# Altium PCB 通用工装板.PcbDoc (part 7 of 10)
Units mil, origin at the board's own origin, x right, y up, seen from the top; angles counter-clockwise.
Board outline 5905.51 x 3937.01 mil, 4 copper layers (L1, L2, L3, L4), stack 30.634 mil thick; 601 components, 576 nets, 2543 pads, 2986 vias.
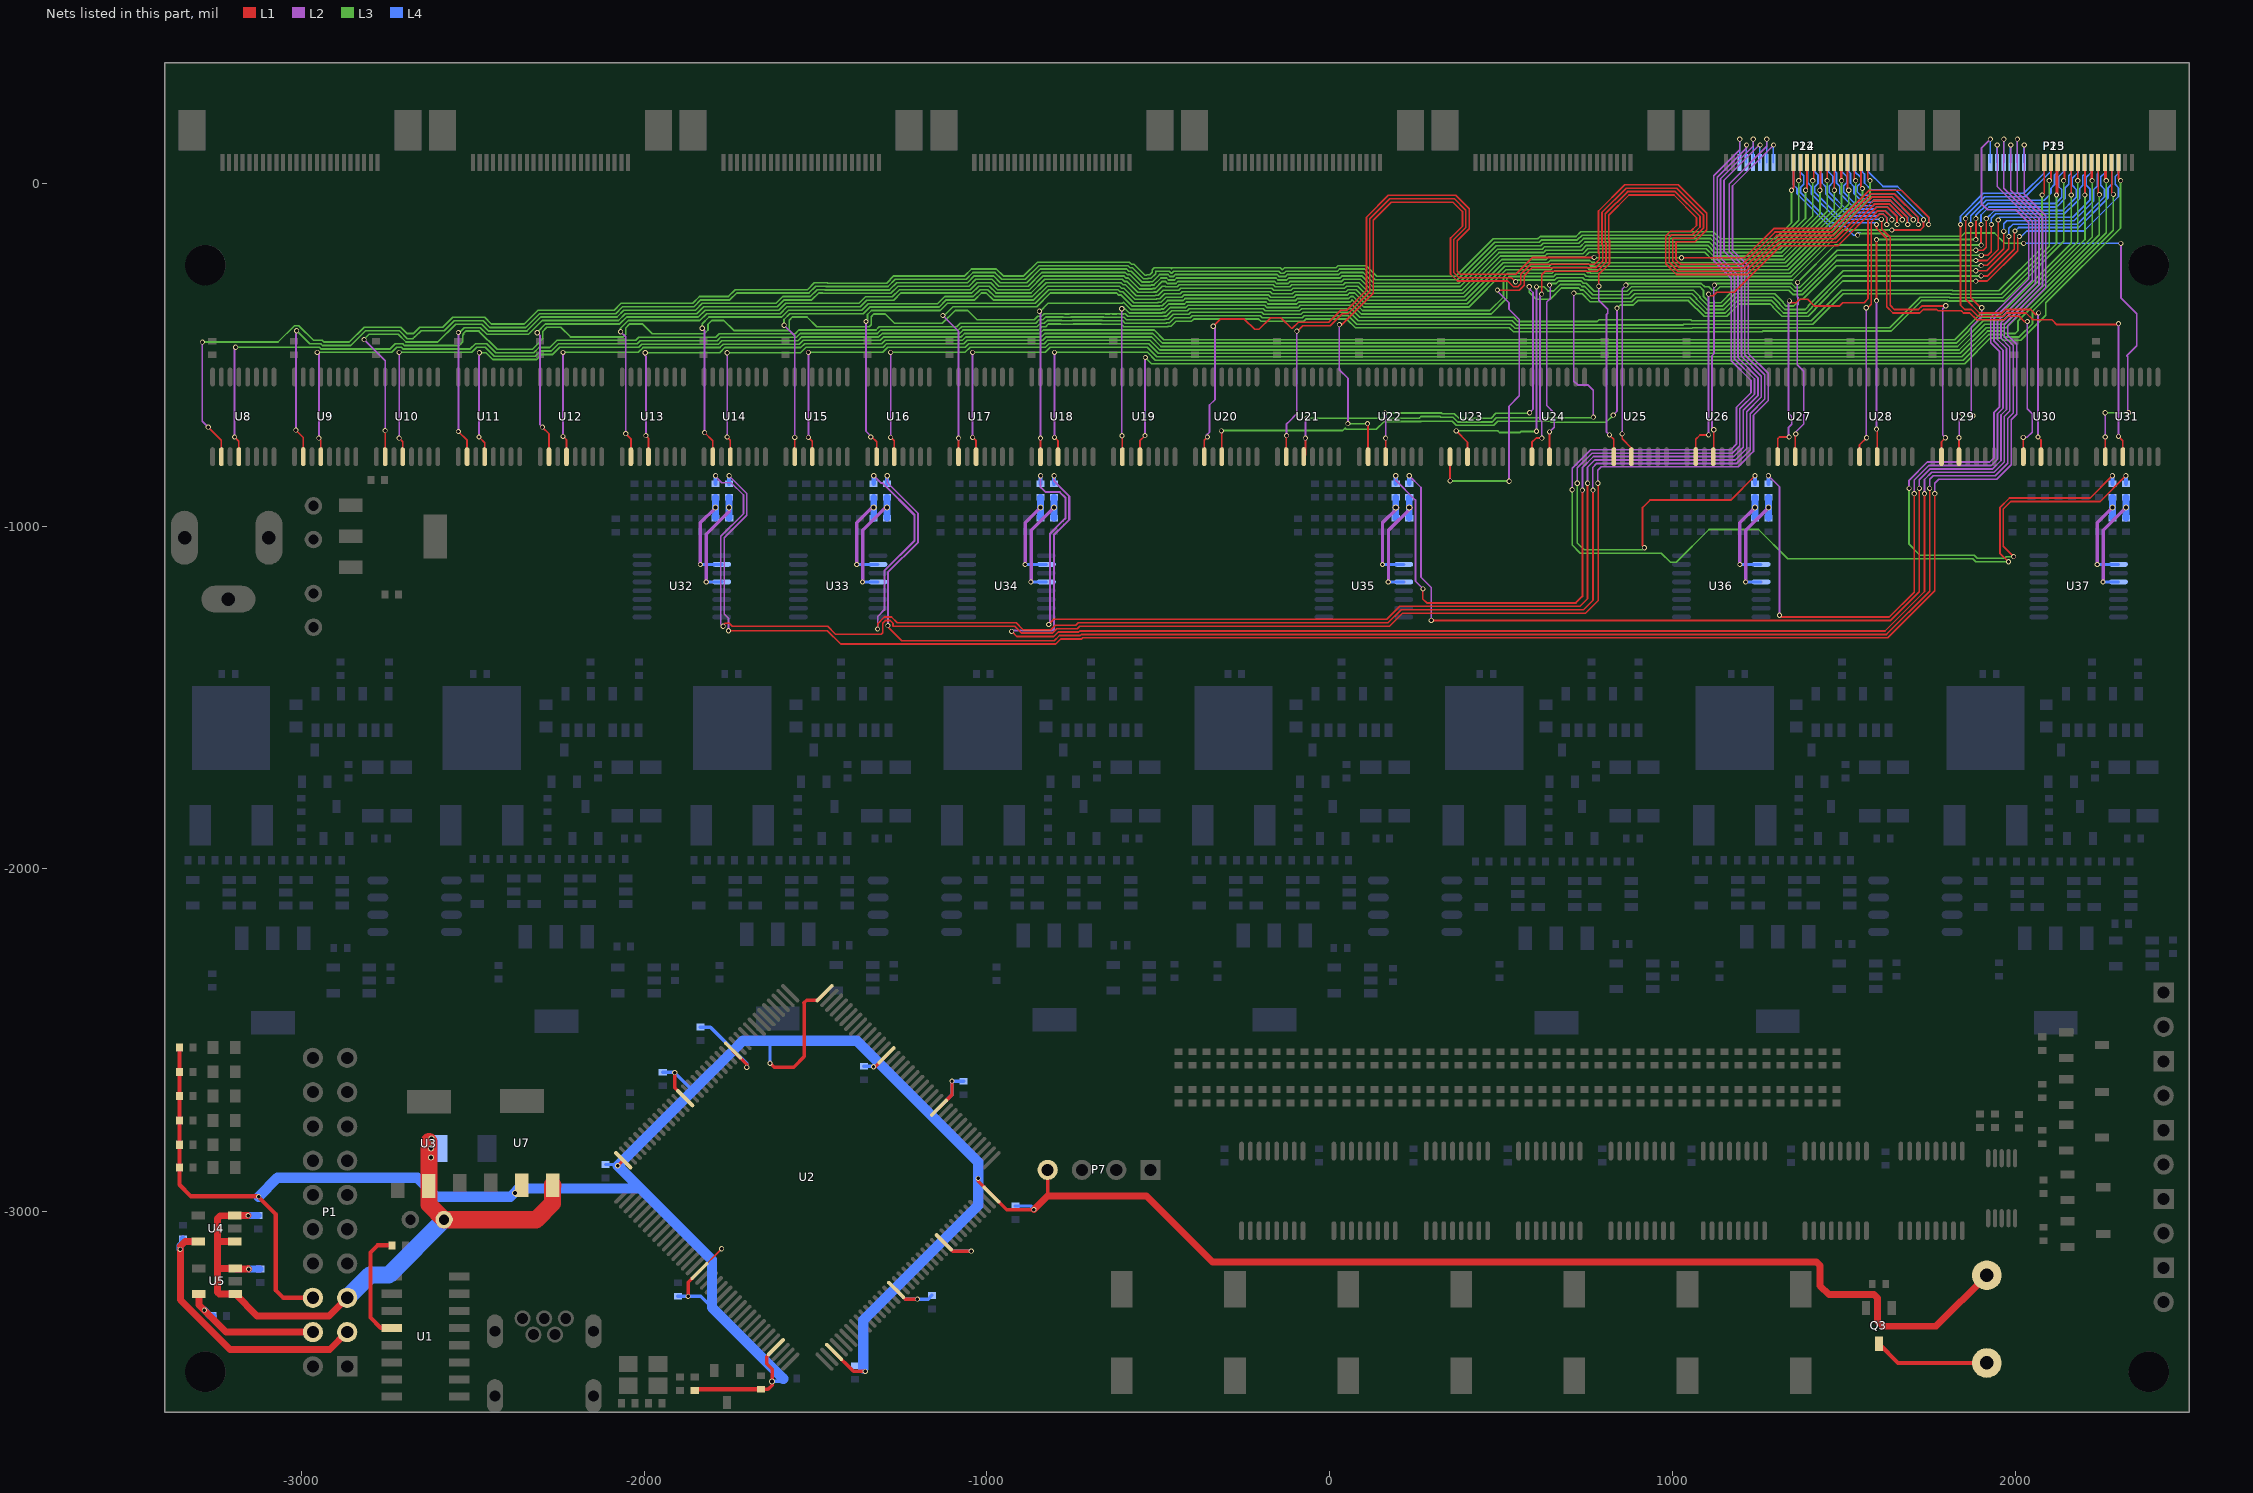
[diagram p9: the nets of this part, all layers, seen from the top]

## Via types
v1: diameter 15, hole 10, L1 to L4, tented both sides, 1853 vias
v2: diameter 18, hole 12, L1 to L4, tented both sides, 1133 vias

## Nets (pads, with @x,y where several pads share a name; then routed paths per layer and width w, separated by ;. In a path a pad name is that pad's centre, name@x,y a point inside that pad or via, vN(x,y) a via of type N, cw(c..) or ccw(c..) an arc to the next point about the centre after c; other vN are vias at no path point) (continued)
M6_ADC1: P22.17 R28.1 | length 5118.2
  L1 w5: v1(-1770,-1292) -1770,-1289 -1764,-1283 -1752,-1283 -1743,-1292 -1464.86,-1292 -1441.86,-1315 -1308,-1315 -1304,-1311 -1304,-1283.79 -1295.21,-1275 -1282.79,-1275 -1274,-1283.79 -1274,-1292 -919,-1292 -899,-1312 -809.64,-1312 -796.64,-1299 -736.43,-1299 -729.43,-1292 174.14,-1292 212.14,-1254 746,-1254 783,-1217 783,-876 v1(782,-875)
  L2 w5: v1(-1791.74,-853.04) -1791.74,-855.26 -1774,-873 -1746.61,-873 -1710.5,-909.11 -1710.5,-963.91 -1776.5,-1029.91 -1776.5,-1285.5 v1(-1770,-1292) ; v1(782,-875) 782,-837 792,-827 1191.19,-827 1236.24,-781.95 1236.24,-676.14 1279,-633.38 1279,-554.29 1221,-496.29 1221,-240.72 1175,-194.72 1175,-7.74 v1(1294.74,112)
  L4 w5: P22.17@1294.07,60.67 v1@1294.07,111.34
  L4 w12: R28.1@-1791.74,-876.34 v1(-1791.74,-853.04)
M6_ADC2: P22.18 R44.1 | length 4677.1
  L1 w5: v1(-1319,-1300) -1319,-1284.64 -1299.36,-1265 -1278.64,-1265 -1261.64,-1282 -914.86,-1282 -894.86,-1302 -813.79,-1302 -800.79,-1289 -740.57,-1289 -733.57,-1282 170,-1282 208,-1244 740,-1244 768,-1216 v1(768,-895)
  L2 w5: v1(-1319,-1300) -1319,-1263.5 -1299.5,-1244 ; v1(768,-895) 767,-894 767,-829 779,-817 1187.05,-817 1226.24,-777.81 1226.24,-672 1269,-629.24 1269,-558.43 1211,-500.43 1211,-244.86 1165,-198.86 1165,-2 1274.74,107.74 v1(1274.74,129)
  L2 w6: v1(-1330.46,-853.04) -1308.98,-874.52 -1304.33,-874.52 -1211.5,-967.35 -1211.5,-1042.65 -1299.5,-1130.65 -1299.5,-1244
  L4 w5: P22.18@1274.39,60.67 v1@1274.39,128.65
  L4 w12: R44.1@-1330.46,-876.34 v1(-1330.46,-853.04)
M6_ADC3: P22.19 R60.1 | length 4050
  L1 w5: v1(-820,-1287) -805,-1272 165.86,-1272 203.86,-1234 730,-1234 752,-1212 v1(752,-875)
  L2 w5: v1(752,-875) 752,-828.43 773.43,-807 1182.91,-807 1216.24,-773.67 1216.24,-666.19 1259,-623.43 1259,-562.57 1201,-504.57 1201,-249 1150,-198 1150,9.29 1252.71,112 v1(1255.37,112)
  L2 w6: v1(-843.46,-853.04) -843.46,-886.54 -829,-901 -787.44,-901 -771,-917.44 -771,-976.56 -778.94,-984.5 -779.09,-984.5 -816,-1021.41 -816,-1283 v1(-820,-1287)
  L4 w5: P22.19@1254.7,60.67 v1@1254.7,111.34
  L4 w12: R60.1@-843.46,-876.34 v1(-843.46,-853.04)
M6_ADC4: P22.20 R76.1 | length 2832.6
  L1 w5: v1(272,-1183) 271.5,-1183.5 271.5,-1212.5 283,-1224 718,-1224 737,-1205 v1(737,-895)
  L2 w5: v1(192.61,-853.04) 192.61,-866.61 250,-924 250,-1161 v1(272,-1183) ; v1(737,-895) 737,-829.28 769.28,-797 1178.76,-797 1206.24,-769.52 1206.24,-662.04 1249,-619.28 1249,-566.72 1191,-508.72 1191,-268.43 1140,-217.43 1140,13.43 1235.37,108.8 v1(1235.37,129)
  L4 w5: P22.20@1235.02,60.67 v1@1235.02,128.65
  L4 w12: R76.1@192.55,-876.34 v1(192.61,-853.04)
M6_ADC5: P22.21 R92.1 | length 2462.6
  L1 w5: v1(918,-1063) 912.28,-1057.28 912.28,-945.85 934.13,-924 1169.48,-924 v1(1240.44,-853.04)
  L2 w5: v1(722,-875) 722,-830.14 765.14,-787 1174.62,-787 1196.24,-765.38 1196.24,-657.9 1239,-615.14 1239,-570.86 1181,-512.86 1181,-272.57 1130,-221.57 1130,17.57 1216,103.57 v1(1216,112)
  L3 w5: v1(722,-875) 722,-1049 742,-1069 912,-1069 v1(918,-1063)
  L4 w5: P22.21@1215.33,60.67 v1@1215.33,111.34
  L4 w12: R92.1@1240.44,-876.34 v1(1240.44,-853.04)
M6_ADC6: P22.22 R108.1 | length 3715.6
  L1 w5: v1(1980,-1104) 1955,-1079 1955,-945.85 1982.82,-918.04 2218.16,-918.04 v1(2283.16,-853.04)
  L2 w5: v1(707,-894) 707,-831 761,-777 1170.48,-777 1186.24,-761.24 1186.24,-653.76 1229,-611 1229,-575 1171,-517 1171,-276.72 1120,-225.72 1120,21.72 1196,97.71 v1(1196,129)
  L3 w5: v1(707,-894) 707,-1055 731,-1079 967.21,-1079 993.79,-1105.57 1010.57,-1105.57 1106.15,-1010 1250.85,-1010 1335.85,-1095 1875.85,-1095 1884.85,-1104 v1(1980,-1104)
  L4 w5: P22.22@1195.65,60.67 v1@1195.65,128.65
  L4 w12: R108.1@2283.16,-876.34 v1(2283.16,-853.04)
M6_FADC1: R28.2 R29.1 U32.2 | length 307.5
  L2 w10: v1(-1836,-1112) -1836,-990.22 v2(-1791.78,-946)
  L4 w10: v1(-1836,-1112) -1774.41,-1112 U32.2@-1773.98,-1111.58
  L4 w20: R29.1@-1791.74,-976.69 R28.2@-1791.74,-915.71
M6_FADC2: R44.2 R45.1 U33.2 | length 306.9
  L2 w10: v1(-1380.09,-1112) -1380.09,-990.22 v2@-1335.87,-946
  L4 w10: v1(-1380.09,-1112) U33.2@-1318.5,-1112
  L4 w20: R45.1@-1330.52,-976.73 R44.2@-1330.52,-915.71
  other v2: -1330.56,-946
M6_FADC3: R60.2 R61.1 U34.2 | length 306.9
  L2 w10: v1(-888.76,-1112) -888.76,-990.22 v2@-844.54,-946
  L4 w10: v1(-888.76,-1112) U34.2@-827.17,-1112
  L4 w20: R61.1@-843.57,-976.69 R60.2@-843.57,-915.71
  other v2: -843.61,-946
M6_FADC4: R76.2 R77.1 U35.2 | length 306.9
  L2 w10: v1(153.76,-1112) 153.76,-990.22 v2@197.98,-946
  L4 w10: v1(153.76,-1112) U35.2@215.35,-1112
  L4 w20: R77.1@192.55,-976.73 R76.2@192.55,-915.71
  other v2: 192.51,-946
M6_FADC5: R92.2 R93.1 U36.2 | length 306.9
  L2 w10: v1(1196.28,-1112) 1196.28,-990.22 v2@1240.5,-946
  L4 w10: v1(1196.28,-1112) U36.2@1257.87,-1112
  L4 w20: R93.1@1240.38,-976.69 R92.2@1240.38,-915.71
  other v2: 1240.34,-946
M6_FADC6: R108.2 R109.1 U37.2 | length 306.9
  L2 w10: v1(2238.8,-1112) 2238.8,-990.22 v2@2283.02,-946
  L4 w10: v1(2238.8,-1112) U37.2@2300.39,-1112
  L4 w20: R109.1@2283.1,-976.73 R108.2@2283.1,-915.71
  other v2: 2283.06,-946
M6_GPIO0: P14.11 U8.2 | length 5489.5
  L1 w5: v1(-3272,-711) -3233.63,-749.37 U8.2@-3233.63,-797.27 ; v1(1347,-20) 1353,-14 1353,60.54 P14.11@1353.12,60.67
  L2 w5: v1(-3289,-463) -3289,-694 v1(-3272,-711)
  L3 w5: v1(-3289,-463) -3068.21,-463 -3020.21,-415 -3007.79,-415 -2964.79,-458 -2939.5,-458 -2934.5,-463 -2860.14,-463 -2817.14,-420 -2709.72,-420 -2691.43,-438.28 -2673.28,-438.28 -2655,-420 -2587.28,-420 -2558.28,-391 -2465.64,-391 -2446.21,-410.43 -2350.07,-410.43 -2309.64,-370 -2087.57,-370 -2067.57,-350 -1858.71,-350 -1838.71,-330 -1754.36,-330 -1734.36,-310 -1523.64,-310 -1503.64,-290 -1466.36,-290 -1465.36,-291 -1292.92,-291 -1271.92,-270 -1064.99,-270 -1044.99,-250 -972.79,-250 -952.79,-270 -892.49,-270 -852.49,-230 -584.51,-230 -578.51,-236 -571.21,-236 -539.21,-268 -534.63,-268 -533.34,-266.72 -525.5,-266.72 -518,-259.21 -518,-252.14 -511.86,-246 -463.83,-246 -461.59,-248.24 -459.34,-246 -144.66,-246 -138.66,-252 -137.96,-252 -131.96,-246 18.2,-246 24.2,-240 106.08,-240 137.08,-271 367.92,-271 476.92,-162 607.01,-162 614.01,-155 718.15,-155 732.15,-141 1119,-141 1140,-162 1300,-162 1347,-115 v1(1347,-20)
M6_GPIO1: P14.12 U9.2 | length 5237
  L1 w5: v1(-3016,-720) -2994.67,-741.33 U9.2@-2994.67,-797.27 ; v1(1368,8) 1372.81,12.81 P14.12@1372.81,60.67
  L2 w5: v1(-3016,-720) v1@-3016,-432
  L3 w5: v1(-3014,-430) -2976,-468 -2943.64,-468 -2938.64,-473 -2856,-473 -2813,-430 -2713.86,-430 -2690.86,-453 -2675,-453 -2670.28,-448.28 -2669.14,-448.28 -2650.86,-430 -2583.14,-430 -2554.14,-401 -2469.79,-401 -2450.36,-420.43 -2345.93,-420.43 -2305.5,-380 -2083.43,-380 -2063.43,-360 -1854.57,-360 -1834.57,-340 -1750.21,-340 -1730.21,-320 -1519.5,-320 -1499.5,-300 -1470.5,-300 -1469.5,-301 -1288.78,-301 -1267.78,-280 -1060.85,-280 -1040.85,-260 -976.93,-260 -956.93,-280 -888.35,-280 -848.35,-240 -588.65,-240 -582.65,-246 -575.36,-246 -543.36,-278 -530.49,-278 -529.2,-276.72 -521.36,-276.72 -508,-263.36 -508,-256.28 -507.72,-256 -467.97,-256 -461.97,-262 -461.2,-262 -455.2,-256 -148.8,-256 -142.8,-262 -133.82,-262 -127.82,-256 22.34,-256 28.34,-250 101.94,-250 132.94,-281 372.06,-281 481.06,-172 611.15,-172 618.15,-165 722.29,-165 736.29,-151 1114.86,-151 1135.86,-172 1304.14,-172 1368,-108.14 v1(1368,8)
M6_GPIO2: P14.13 U10.2 | length 5021.2
  L1 w5: U10.2@-2755.71,-797.27 v1(-2755.71,-721.29) ; v1(1388,-20) 1392.49,-15.51 P14.13@1392.49,60.67
  L2 w5: v1(-2817,-456) -2755.71,-517.29 v1(-2755.71,-721.29)
  L3 w5: v1(-2817,-456) -2817,-454 -2803,-440 -2718,-440 -2695,-463 -2602,-463 -2550,-411 -2473.93,-411 -2454.5,-430.43 -2341.79,-430.43 -2301.36,-390 -2079.28,-390 -2059.28,-370 -1850.43,-370 -1830.43,-350 -1615.71,-350 -1595.71,-330 -1515.36,-330 -1495.36,-310 -1474.64,-310 -1473.64,-311 -1284.64,-311 -1263.64,-290 -1056.71,-290 -1036.71,-270 -981.08,-270 -961.08,-290 -884.21,-290 -844.21,-250 -592.79,-250 -586.79,-256 -579.5,-256 -547.5,-288 -526.34,-288 -525.06,-286.72 -517.22,-286.72 -496.5,-266 -472.12,-266 -466.12,-272 -457.06,-272 -451.06,-266 -152.94,-266 -146.94,-272 -129.68,-272 -123.68,-266 26.48,-266 32.48,-260 97.8,-260 128.8,-291 376.2,-291 485.2,-182 615.29,-182 622.29,-175 726.43,-175 740.43,-161 1110.72,-161 1131.72,-182 1308.28,-182 1388,-102.28 v1(1388,-20)
M6_GPIO3: P14.14 U11.2 | length 4739.8
  L1 w5: v1(-2542,-724) -2516.75,-749.25 U11.2@-2516.75,-797.27 ; v1(1409,8) 1412.18,11.18 P14.14@1412.18,60.67
  L2 w5: v1(-2542,-724) v1(-2542,-435)
  L3 w5: v1(-2542,-435) -2540.86,-433.86 -2538,-433.86 -2525.14,-421 -2478.07,-421 -2458.64,-440.43 -2337.65,-440.43 -2297.21,-400 -2075.14,-400 -2055.14,-380 -1846.28,-380 -1826.28,-360 -1611.57,-360 -1591.57,-340 -1511.21,-340 -1491.21,-320 -1478.79,-320 -1477.79,-321 -1280.5,-321 -1259.5,-300 -1052.57,-300 -1032.57,-280 -985.22,-280 -965.22,-300 -880.07,-300 -840.07,-260 -596.93,-260 -590.93,-266 -583.64,-266 -551.64,-298 -522.2,-298 -520.92,-296.72 -513.08,-296.72 -492.36,-276 -476.26,-276 -470.26,-282 -452.92,-282 -446.92,-276 -157.08,-276 -151.08,-282 -125.53,-282 -119.53,-276 30.62,-276 36.62,-270 93.66,-270 124.66,-301 380.34,-301 489.34,-192 619.44,-192 626.44,-185 730.57,-185 744.57,-171 1106.57,-171 1127.57,-192 1312.43,-192 1409,-95.43 v1(1409,8)
M6_GPIO4: P14.15 U12.2 | length 4513.7
  L1 w5: v1(-2297,-711) -2277.79,-730.21 U12.2@-2277.79,-797.27 ; v1(1430,-20) 1431.86,-18.14 P14.15@1431.86,60.67
  L2 w5: v1(-2312,-436) -2304,-444 -2304,-704 v1(-2297,-711)
  L3 w5: v1(-2312,-436) -2312,-433.86 -2288.14,-410 -2071,-410 -2051,-390 -1842.14,-390 -1822.14,-370 -1607.43,-370 -1587.43,-350 -1373.43,-350 -1354.43,-331 -1276.36,-331 -1255.36,-310 -1048.43,-310 -1028.43,-290 -989.36,-290 -969.36,-310 -875.92,-310 -835.92,-270 -601.08,-270 -595.08,-276 -587.78,-276 -555.78,-308 -518.06,-308 -516.78,-306.72 -508.93,-306.72 -488.22,-286 -480.4,-286 -474.4,-292 -448.78,-292 -442.78,-286 -161.22,-286 -155.22,-292 -121.39,-292 -115.39,-286 34.77,-286 40.77,-280 89.51,-280 120.51,-311 384.49,-311 493.49,-202 623.58,-202 630.58,-195 734.72,-195 748.72,-181 1102.43,-181 1123.43,-202 1316.57,-202 1430,-88.57 v1(1430,-20)
M6_GPIO5: P14.16 U13.2 | length 4288.3
  L1 w5: v1(-2054,-730) -2038.83,-745.17 U13.2@-2038.83,-797.27 ; v1(1451,8) 1451,60.12 P14.16@1451.55,60.67
  L2 w5: v1(-2069,-433) -2054,-448 v1(-2054,-730)
  L3 w5: v1(-2069,-433) -2069.07,-432.93 -2069.07,-422.93 -2046.14,-400 -1838,-400 -1818,-380 -1603.28,-380 -1583.28,-360 -1369.28,-360 -1350.28,-341 -1272.21,-341 -1251.21,-320 -1044.28,-320 -1024.28,-300 -993.5,-300 -973.5,-320 -871.78,-320 -831.78,-280 -605.22,-280 -599.22,-286 -591.92,-286 -559.92,-318 -513.92,-318 -512.63,-316.72 -504.79,-316.72 -488.45,-300.37 -480.17,-300.37 -478.54,-302 -444.63,-302 -438.63,-296 -317,-296 -165.37,-296 -159.37,-302 -117.25,-302 -111.25,-296 38.91,-296 44.91,-290 85.37,-290 116.37,-321 388.63,-321 497.63,-212 627.72,-212 634.72,-205 738.86,-205 752.86,-191 1098.29,-191 1119.29,-212 1320.71,-212 1451,-81.71 v1(1451,8)
M6_GPIO6: P14.17 U14.2 | length 4073.9
  L1 w5: v1(-1824,-727) -1799.87,-751.13 U14.2@-1799.87,-797.27 ; P14.17@1471.23,60.67 1471,60.43 1472,59.43 v1(1472,-20)
  L2 w5: v1(-1830.5,-422.5) -1824,-429 v1(-1824,-727)
  L3 w5: v1(-1830.5,-422.5) -1830.5,-409.5 -1811,-390 -1599.14,-390 -1579.14,-370 -1365.14,-370 -1346.14,-351 -1144.28,-351 -1123.28,-330 -1040.14,-330 -1020.14,-310 -997.64,-310 -977.64,-330 -867.64,-330 -827.64,-290 -609.36,-290 -603.36,-296 -596.07,-296 -564.07,-328 -509.78,-328 -508.49,-326.72 -500.65,-326.72 -485.93,-312 -440.49,-312 -434.49,-306 -169.51,-306 -163.51,-312 -113.11,-312 -107.11,-306 43.05,-306 49.05,-300 81.23,-300 112.23,-331 392.77,-331 501.77,-222 631.86,-222 638.86,-215 743,-215 757,-201 1094.15,-201 1115.15,-222 1324.85,-222 1471.23,-75.62 1471,-75.38 1472,-74.38 v1(1472,-20)
M6_GPIO7: P14.18 U15.2 | length 3904
  L1 w5: U15.2@-1560.92,-797.27 v1(-1560.92,-741.08) ; v1@1490.92,10.08 P14.18@1490.92,60.67 1493,58.59 v1(1493,8) v1@1490.92,10.08
  L2 w5: v1(-1592,-414) -1560.92,-445.08 v1(-1560.92,-741.08)
  L3 w5: v1(-1592,-414) -1592,-397 -1575,-380 -1361,-380 -1342,-361 -1140.14,-361 -1119.14,-340 -1036,-340 -1016,-320 -1001.79,-320 -981.79,-340 -863.5,-340 -823.5,-300 -613.5,-300 -607.5,-306 -600.21,-306 -568.21,-338 -505.63,-338 -504.35,-336.72 -496.51,-336.72 -481.79,-322 -436.35,-322 -430.35,-316 -373,-316 -173.65,-316 -167.65,-322 -108.97,-322 -102.97,-316 47.19,-316 53.19,-310 77.09,-310 108.09,-341 396.91,-341 505.91,-232 636.01,-232 643.01,-225 758.79,-225 764.79,-231 772.57,-231 773.57,-232 1328.99,-232 1493,-67.99 v1(1493,8)
  L4 w5: v1@-1592,-416 v1(-1592,-414)
M6_GPIO8: P14.19 U16.2 | length 3618
  L1 w5: v1(-1339,-740) -1336,-740 -1321.96,-754.04 U16.2@-1321.96,-797.27 ; P14.19@1510.6,60.67 1510.6,-16.61 v1(1514,-20)
  L2 w5: v1(-1353,-403) -1353,-723 -1339,-737 v1(-1339,-740)
  L3 w5: v1(-1353,-403) -1348.5,-398.5 -1348.5,-382.5 -1337,-371 -1136,-371 -1115,-350 -859.36,-350 -819.36,-310 -617.64,-310 -611.64,-316 -604.35,-316 -572.35,-348 -501.49,-348 -500.21,-346.72 -492.37,-346.72 -477.65,-332 -432.21,-332 -426.21,-326 -177.79,-326 -171.79,-332 -104.82,-332 -98.82,-326 51.33,-326 57.33,-320 72.94,-320 103.94,-351 401.06,-351 510.06,-242 640.15,-242 647.15,-235 754.64,-235 760.64,-241 768.43,-241 769.43,-242 1333.14,-242 1514,-61.14 v1(1514,-20)
M6_GPIO9: P14.20 U17.2 | length 3415.5
  L1 w5: U17.2@-1083,-797.27 v1(-1083,-743) ; P14.20@1530.29,60.67 1530.29,11.71 v1(1534,8)
  L2 w5: v1(-1128.63,-385.42) -1083,-431.05 v1(-1083,-743)
  L3 w5: v1(-1128.63,-385.42) -1124.42,-385.42 -1099,-360 -855.21,-360 -815.21,-320 -621.79,-320 -615.79,-326 -608.49,-326 -576.49,-358 -497.35,-358 -496.07,-356.72 -488.22,-356.72 -473.51,-342 -428.07,-342 -422.07,-336 -181.93,-336 -175.93,-342 -100.68,-342 -94.68,-336 55.48,-336 61.48,-330 68.8,-330 99.8,-361 405.2,-361 514.2,-252 644.29,-252 651.29,-245 750.5,-245 756.5,-251 764.28,-251 765.28,-252 1337.28,-252 1534,-55.28 v1(1534,8)
M6_GPIO10: P14.21 U18.2 | length 3158.6
  L1 w5: U18.2@-844.04,-797.27 v1(-844,-743) ; v1@1550,-15 v1(1554,-15) ; v1@1549.97,-14.98 P14.21@1549.97,60.67 ; v1(-844,-743) v1(-844,-743)
  L2 w5: v1(-844,-743) v1@-844,-376
  L3 w5: v1(-847,-373) -845,-373 -822,-350 -604.93,-350 -601.78,-346.85 -580.63,-368 -493.21,-368 -491.92,-366.72 -484.08,-366.72 -469.37,-352 -423.92,-352 -417.92,-346 -186.08,-346 -180.08,-352 -96.54,-352 -90.54,-346 59.62,-346 65.14,-340.48 95.66,-371 467,-371 506.67,-331.33 506.67,-273.67 518.34,-262 648.43,-262 655.43,-255 746.36,-255 752.36,-261 760.14,-261 761.14,-262 1341.42,-262 1555,-48.42 1554,-47.42 v1(1554,-15)
M6_GPIO11: P14.22 U19.2 | length 2934.9
  L1 w5: U19.2@-605.08,-797.27 v1@-605.08,-737.13 ; P14.22@1569.66,60.67 1569.66,14.34 v1(1576,8)
  L2 w5: v1(-606.89,-365.89) -606.89,-736.11 v1(-606.11,-736.11)
  L3 w5: v1(-606.89,-365.89) -606.89,-366.11 -601.78,-360.99 -584.78,-378 -489.07,-378 -487.78,-376.72 -479.94,-376.72 -465.22,-362 -419.78,-362 -413.78,-356 -190.22,-356 -184.22,-362 -92.4,-362 -86.4,-356 63.76,-356 65.14,-354.62 91.52,-381 471.14,-381 516.67,-335.47 516.67,-278 522.67,-272 652.57,-272 659.57,-265 742.22,-265 748.22,-271 756,-271 757,-272 1345.56,-272 1576,-41.56 v1(1576,8)
  L4 w5: v1@-607.89,-365.89 v1(-606.89,-365.89)
M6_GPIO12: P22.3 U20.2 | length 3507.9
  L1 w5: U20.2@-366.12,-797.27 -366.12,-749.12 v1(-357,-740) ; v1(-340,-417) -319,-396 -249.21,-396 -219.21,-426 -206.28,-426 -172.28,-392 -142.5,-392 -111.5,-423 -109.21,-423 -91.21,-405 -3.14,-405 31.86,-370 49.15,-370 107,-312.15 107,-99.01 171.01,-35 367.92,-35 407,-74.08 407,-132.92 372,-167.92 372,-255.95 381.03,-264.97 542.81,-264.97 591.79,-216 v1(771,-216) ; v1(1026,-217) 1210,-217 1295,-132 1461.79,-132 1573.79,-20 1668,-20 1747,-99 v1(1747,-120) v1@1747,-126.14
  L2 w5: v1(-357,-740) -356,-739 -360,-735 -351,-726 -351,-646.79 -335,-630.79 -335,-422 v1(-340,-417)
  L3 w5: v1@774,-217 v1(1026,-217)
  L4 w5: P22.3@1569.66,60.67 1569.66,35.55 1614.21,-9 1656.21,-9 1747,-99.79 v1(1747,-120)
M6_GPIO13: P22.4 U21.2 | length 3125.3
  L1 w5: U21.2@-127.16,-797.27 -127.16,-737.16 v1(-126,-736) ; v1(-96,-431) -95,-431 -79,-415 1,-415 36,-380 53.29,-380 117,-316.29 117,-103.15 175.15,-45 363.78,-45 397,-78.22 397,-128.78 362,-163.78 362,-260.09 376.89,-274.97 529.97,-274.97 v1(542,-287) ; v1(1640,-136) 1723,-136 1732,-127 v1(1732,-106)
  L2 w5: v1(-126,-736) -126,-701 -123,-698 -121.79,-698 -96,-672.21 v1(-96,-431)
  L3 w5: v1(542,-287) 547,-282 656.72,-282 663.72,-275 738.08,-275 744.08,-281 751.86,-281 752.86,-282 1349.71,-282 1495.71,-136 v1(1640,-136)
  L4 w5: P22.4@1549.98,60.67 1549.98,37.02 1560,27 1560,1 1580,-19 1650.36,-19 1732,-100.64 v1(1732,-106)
M6_GPIO14: P22.5 U22.2 | length 3700.1
  L1 w5: v1(28,-412) 35.43,-412 127,-320.43 127,-107.29 179.29,-55 359.64,-55 387,-82.36 387,-124.64 352,-159.64 352,-264.23 372.74,-284.97 518.76,-284.97 535.79,-302 548.21,-302 557,-293.21 557,-264.93 585.82,-236.11 772.11,-236.11 786,-222.21 786,-204.93 784,-202.93 784,-80.51 860.51,-4 1016.43,-4 1100,-87.57 1100,-135.43 1065.43,-170 1010.14,-170 1010.14,-222.36 1023.79,-236 1205.14,-236 1299.14,-142 1465.93,-142 1577.93,-30 1647.21,-30 1717,-99.79 v1(1717,-120) ; v1(110,-701) 111.8,-702.8 U22.2@111.8,-797.27
  L2 w5: v1(28,-412) 28,-544 53,-569 v1(53,-701)
  L3 w5: v1(53,-701) v1(110,-701)
  L4 w5: P22.5@1530.29,60.67 1530.29,35.71 1550,16 1550,2.21 1539,-8.79 1539,-25.21 1548.79,-35 1572.93,-35 1577.93,-30 1647.21,-30 1717,-99.79 v1(1717,-120)
M6_GPIO15: P22.6 U23.2 | length 3038.6
  L1 w5: U23.2@350.76,-797.27 350.76,-867.76 v1(351,-868) ; v1(489,-311) 490,-312 552.36,-312 567,-297.36 567,-269.07 589.96,-246.11 776.25,-246.11 796,-226.36 796,-180.14 794,-178.14 794,-84.65 864.65,-14 1012.28,-14 1090,-91.72 1090,-131.28 1061.28,-160 1002.28,-160 1000.14,-162.14 1000.14,-226.5 1019.64,-246 1209.28,-246 1303.28,-152 1470.08,-152 1582.08,-40 1640.43,-40 1702,-101.57 v1(1702,-106)
  L2 w5: v1(489,-311) 489,-314 523,-348 523,-367.14 553,-397.14 553,-619.86 523,-649.86 v1(523,-869)
  L3 w5: v1(351,-868) v1@522,-868
  L4 w5: P22.6@1510.61,60.67 1510.61,37.39 1519,29 1519,1 1529,-9 1529,-29.36 1544.64,-45 1577.08,-45 1582.08,-40 1639.64,-40 1701,-101.36 1701,-105 v1(1702,-106)
M6_I2C_SCL: P22.14 U31.2 | length 1859.1
  L1 w5: U31.2@2262.43,-797.27 v1(2262.43,-740)
  L2 w5: v1(2262,-669) 2262.43,-669.43 v1(2262.43,-740) ; v1(2308,-175) 2308,-334 2354,-380 2354,-474 2325,-503 2328,-506 2328,-669 v1(2330,-669)
  L3 w5: v1(1540,-151) 1545,-146 1616,-146 1624,-154 1843,-154 1852,-145 1939,-145 1969,-175 v1(2024,-175) ; v1(2262,-669) v1(2330,-669) ; v1(2024,-175) 2024,-179 2028,-175 v1(2024,-175)
  L4 w5: P22.14@1353.13,60.67 1353,60.54 1353,-4.79 1363,-14.79 1363,-30.36 1457.64,-125 1502,-125 1528,-151 v1(1540,-151) ; v1@1540,-145 1549,-145 ; v1(2024,-175) v1(2308,-175)
M6_I2C_SDA: P22.13 U30.2 | length 1465.3
  L1 w5: v1(1595,-120) 1595,-131.14 1625.14,-161.28 1625.14,-360.14 1643,-378 1721.36,-378 1731.36,-368 1770.43,-368 1774.43,-372 1842.64,-372 1848.64,-378 1867,-378 1887,-398 1968.5,-398 1978.5,-388 2011.28,-388 2026.28,-403 v1(2035,-403) ; v1(2023,-741) 2023.47,-741.47 U30.2@2023.47,-797.27
  L2 w5: v1(2023,-741) 2034,-741 2049,-726 2049,-672 2035,-658 v1(2035,-403)
  L4 w5: P22.13@1372.81,60.67 1372.81,32.19 1383,22 1383,-3 1373,-13 1373,-26.21 1461.79,-115 v1@1592,-115
M6_SPI_CLK: P22.11 U28.2 | length 1143.5
  L1 w5: U28.2@1545.55,-797.27 1545.55,-762.45 v1(1566,-742) ; v1(1565,-363) 1570,-363 1580,-353 1580,-112.79 1602.79,-90 1615.21,-90 1625,-99.79 v1(1625,-120)